# KiCad board r1_panel.kicad_pcb
title: M3 Radio board layout; date: 8 feb 2016; rev: Rev 1; company: Cambridge University Spaceflight; note: G Brooks; note: A Raghu; note: E R Eide; note: Drawn by:
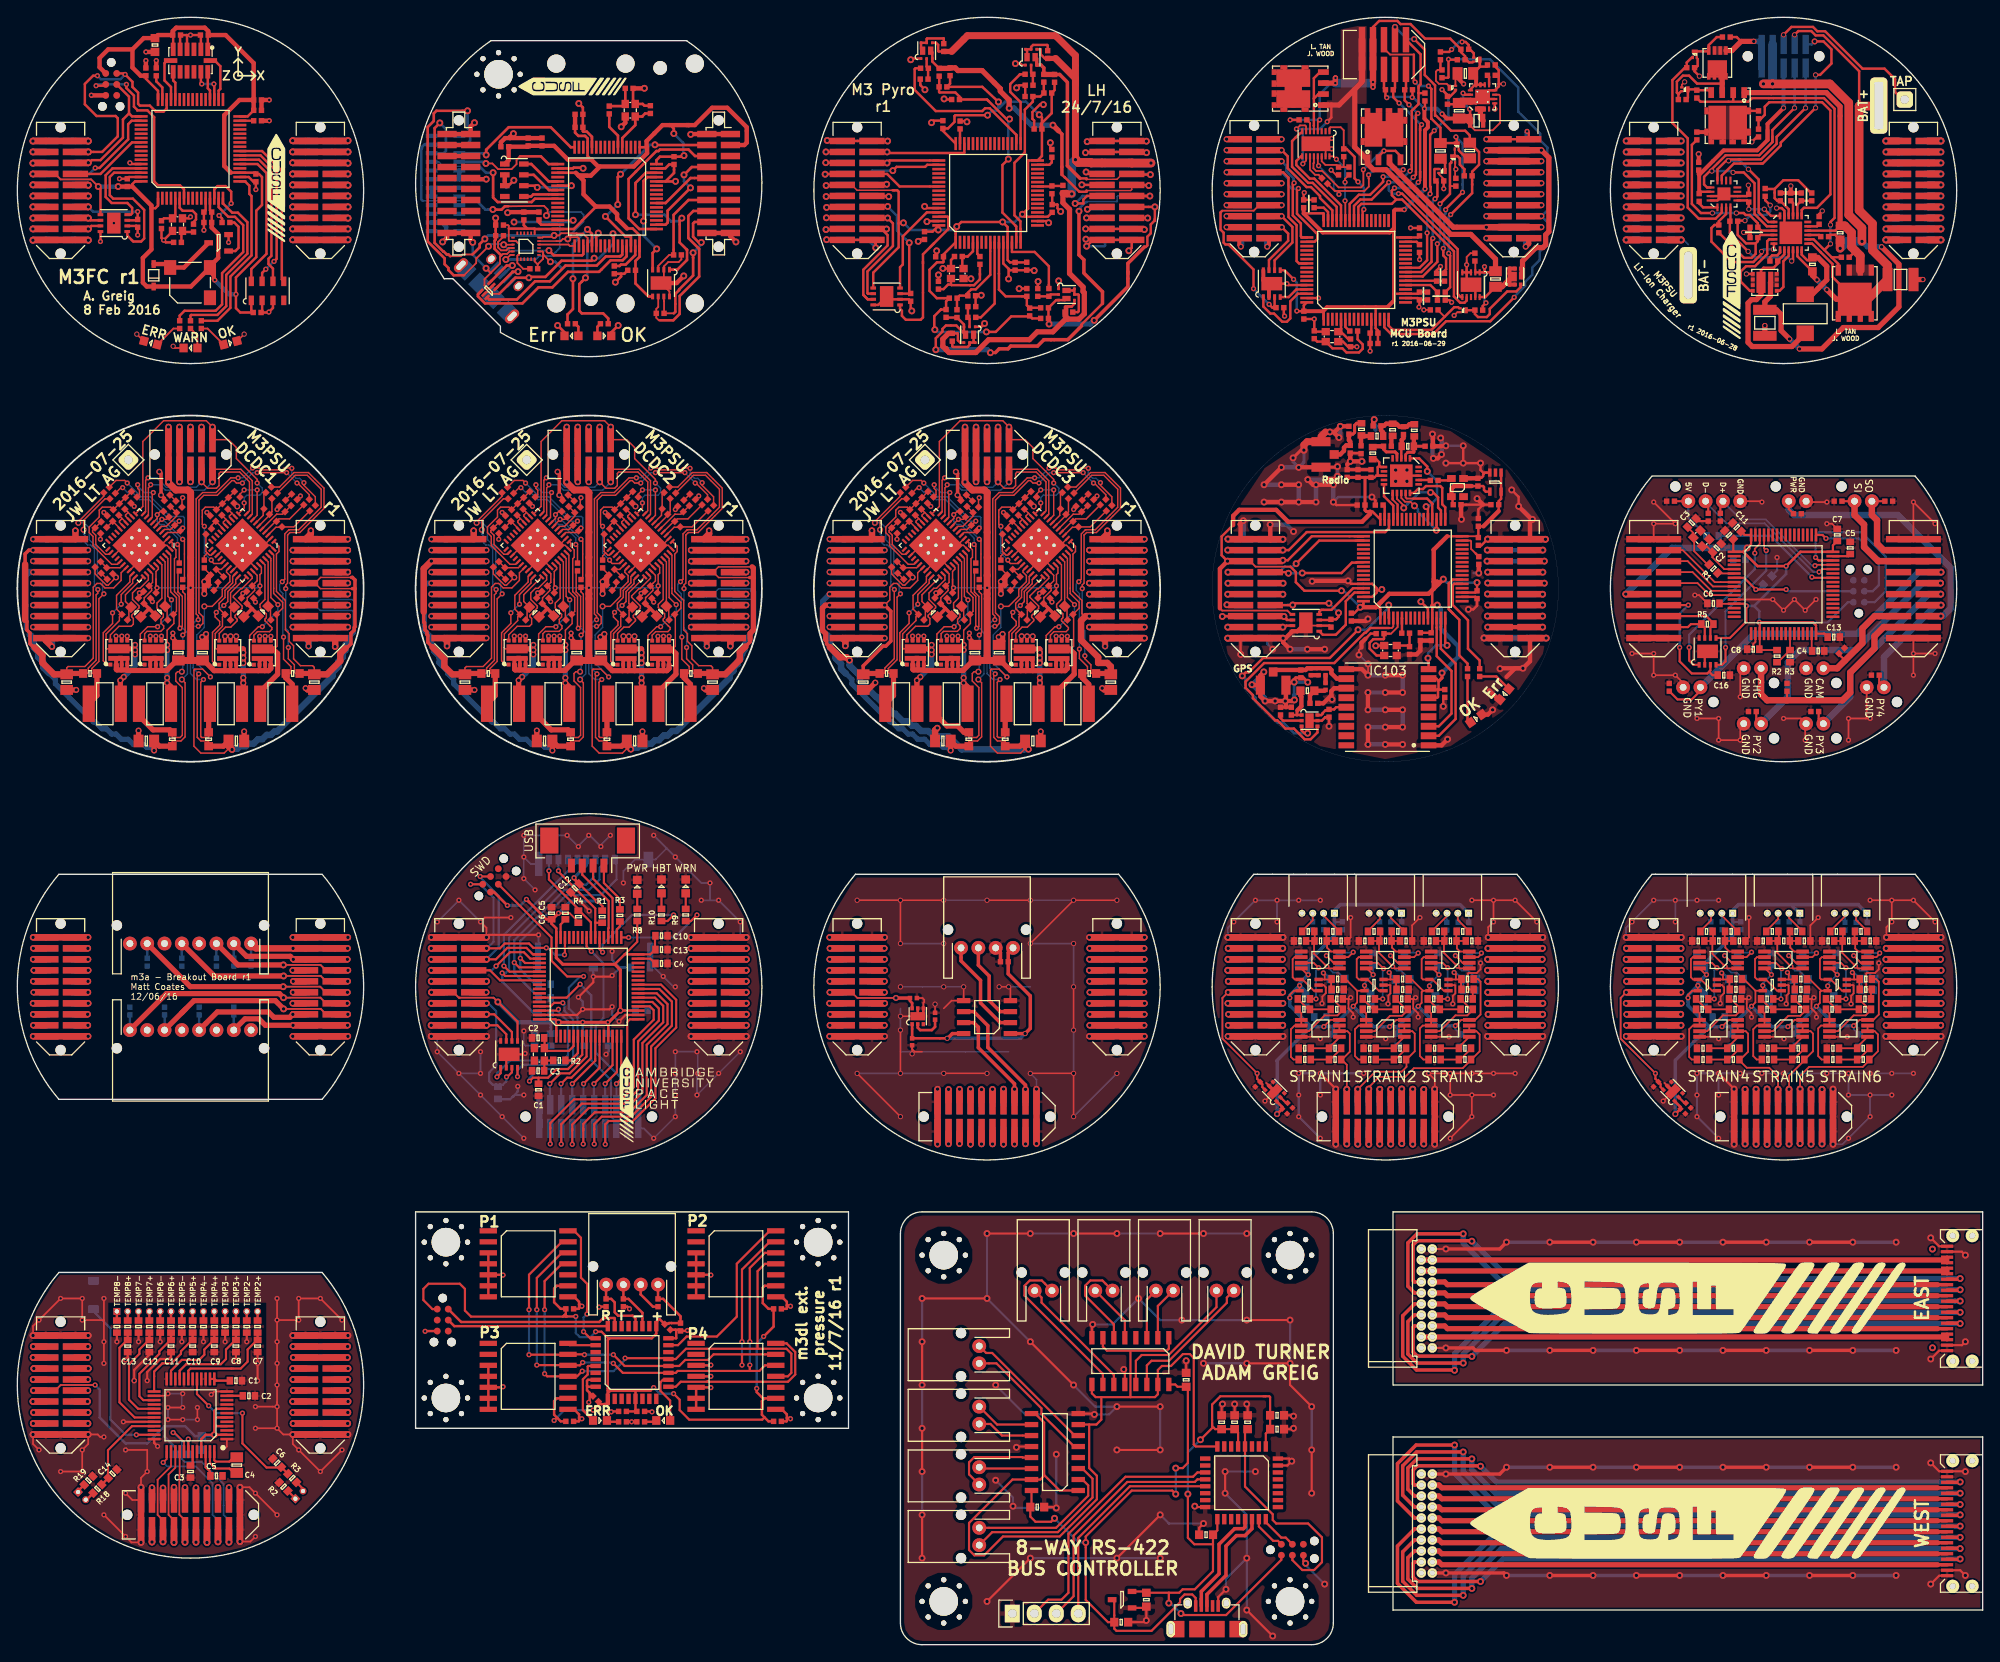
[diagram p0: board, top side]
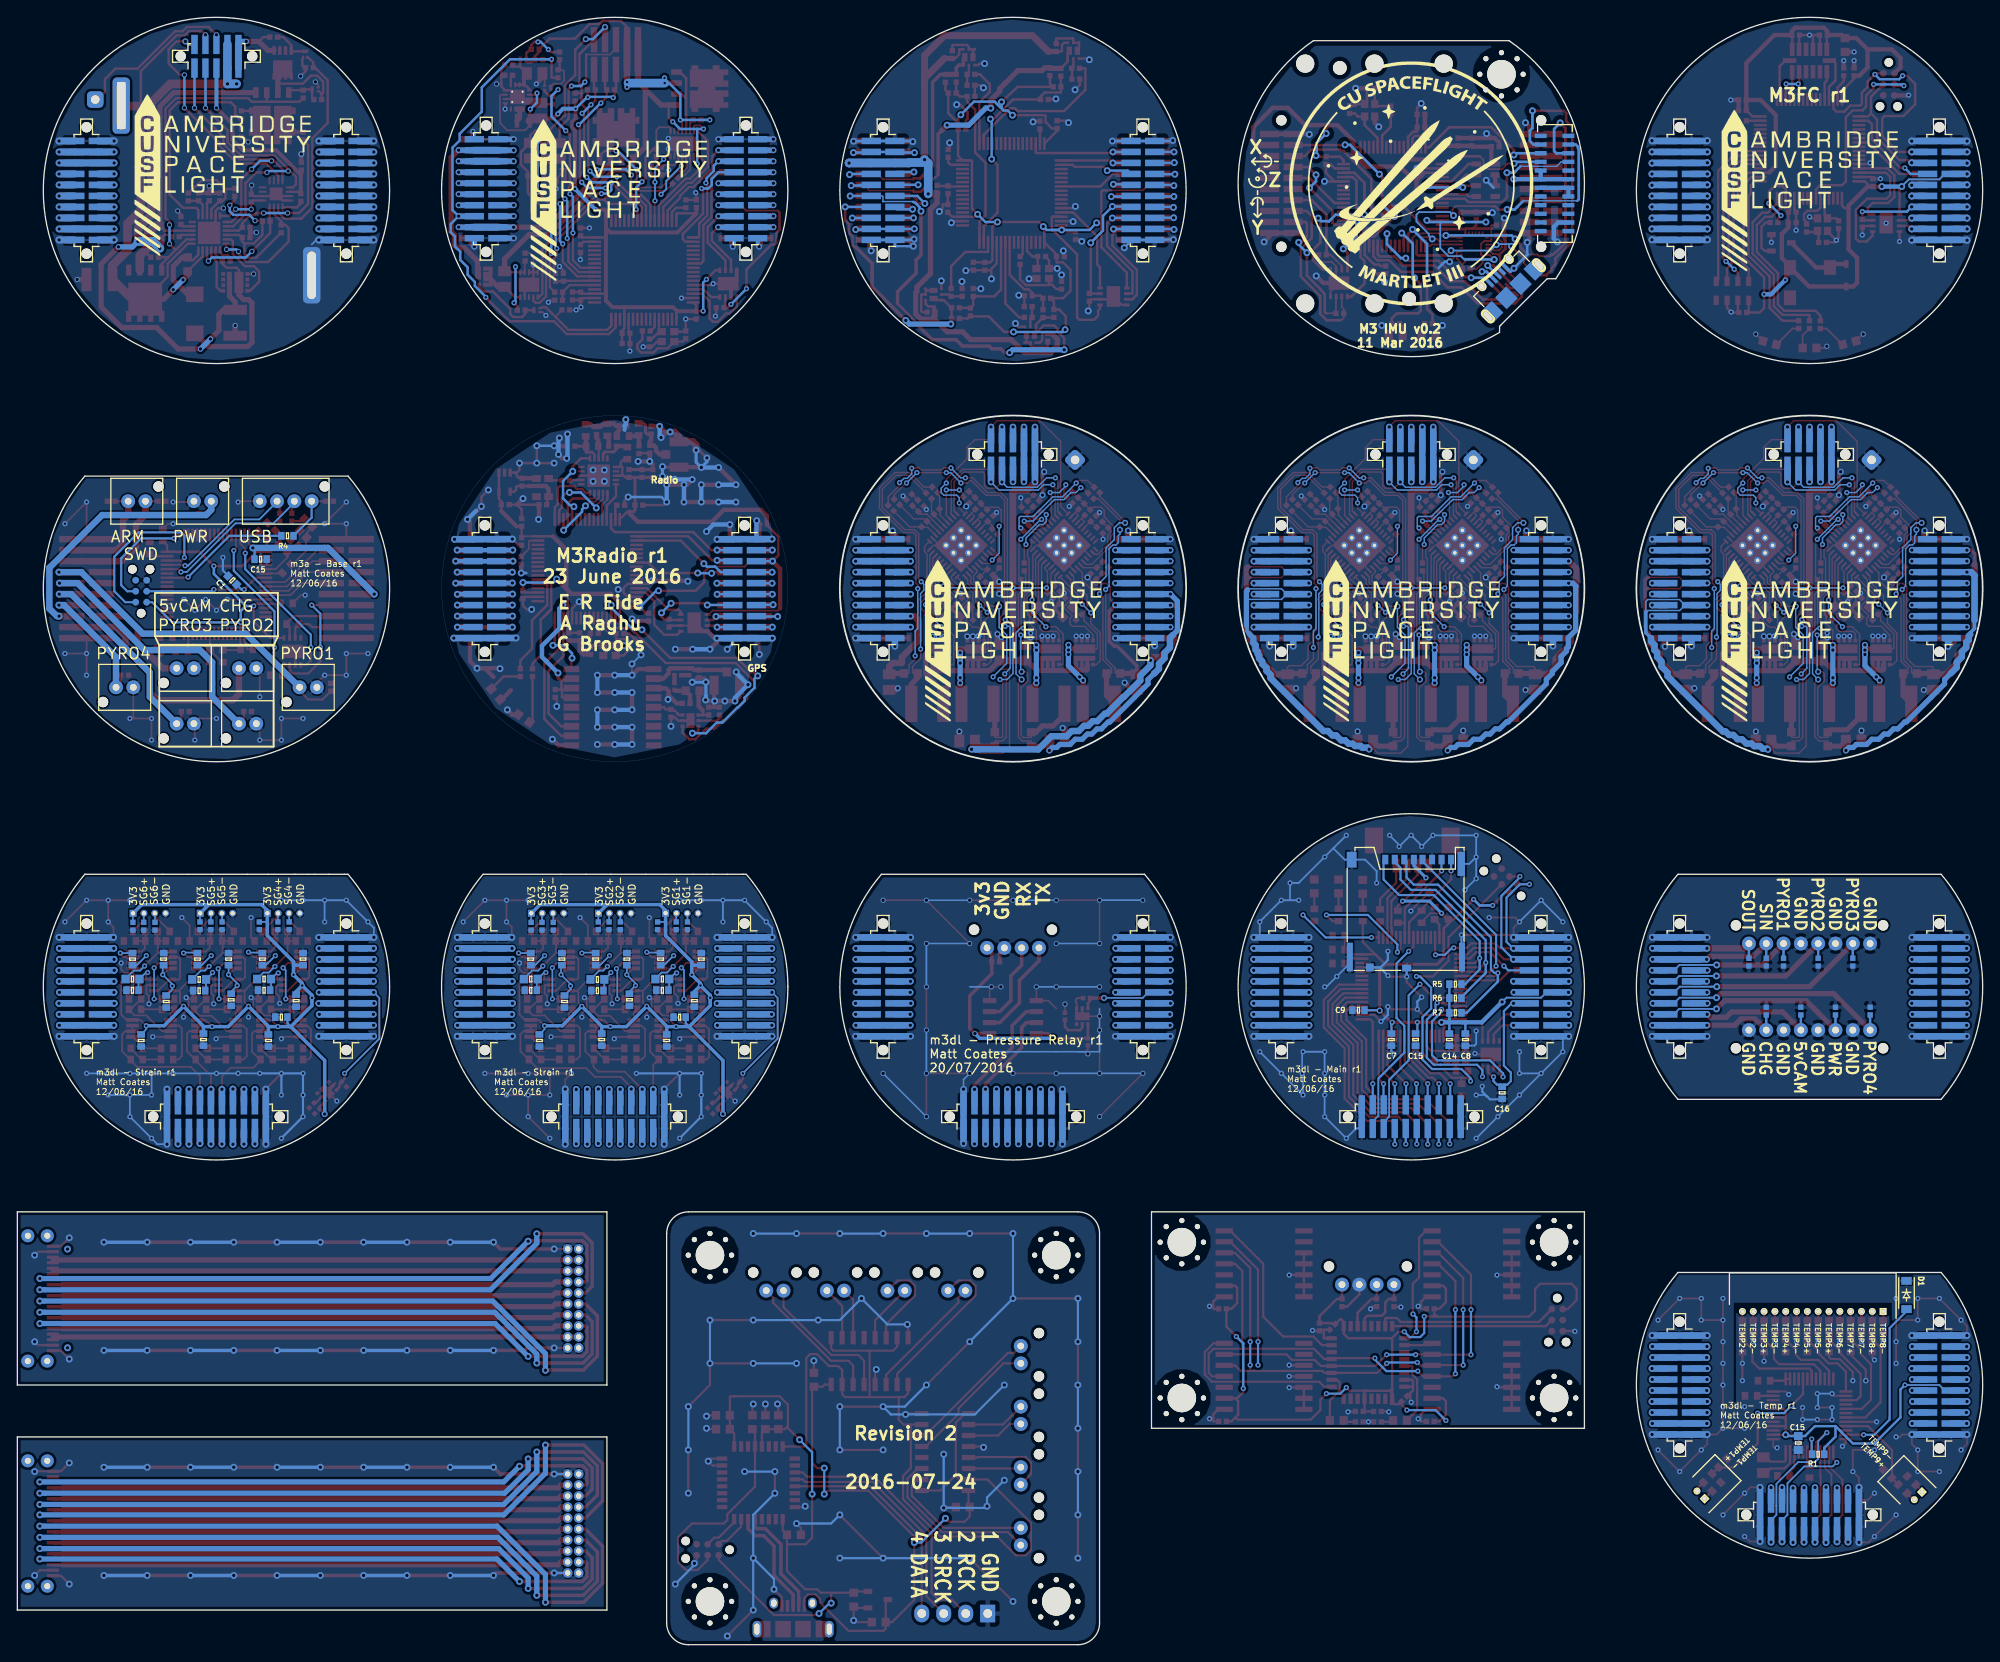
[diagram p1: board, bottom side, seen from below]

Outline 227 x 188 mm; copper layers: Top, Bottom. Coordinates in mm from the lower left corner of the outline.
Outline path: circle c20,168 r20 ; circle c20,122 r20 ; circle c66,122 r20 ; circle c66,76 r20 ; circle c112,168 r20 ; circle c112,122 r20 ; circle c158,168 r20 ; circle c158,122 r20 ; circle c204,168 r20 ; 54.71,185.3 arc(46.38,172.66) 49.3,157.8 50.3,157.8 55.8,152.3 55.8,151.6 ; 54.7,185.3 77.3,185.3 arc(82.86,158.04) 55.8,151.6 ; 4.8,89 35.2,89 arc(40,76) 35.2,63 4.8,63 arc(0,76) 4.8,89 ; 4.8,43 35.2,43 arc(20,10) 4.8,43 ; 46,50 46,25 96,25 96,50 46,50 ; 96.8,89 127.2,89 arc(112,56) 96.8,89 ; 102,47.5 102,2.5 arc(102.73,0.73) 104.5,0 149.5,0 arc(151.27,0.73) 152,2.5 152,47.5 arc(151.27,49.27) 149.5,50 104.5,50 arc(102.73,49.27) 102,47.5 ; 138,76 arc(139.24,82.93) 142.8,89 143.2,89 173.2,89 arc(164.93,57.24) 138,76 ; 158.9,50 227,50 227,30 158.9,30 158.9,50 ; 158.9,24 227,24 227,4 158.9,4 158.9,24 ; 184,76 arc(185.24,82.93) 188.8,89 189.2,89 219.2,89 arc(210.93,57.24) 184,76 ; 188.8,135 219.2,135 arc(204,102) 188.8,135 ; 214.6,180.4 215.4,180.4 215.4,175.2 214.6,175.2 214.6,180.4

## Placement (name value [footprint] x y rotation side)
C1  10p  [0402]  16.65 164.05 90 top
C1#2  100n  [0603-L]  60.2 64.1 90 top
C1#3  100n  [0402]  108.37 178.51 180 top
C1#4  1n  [0603-L]  163.15 81.3 0 top
C1#5  1n  [0603-L]  209.15 81.3 0 top
C1#6  1u  [0603-L]  25.25 30.5 180 top
C1#7  22µ  [0805]  34.3 111.2 270 top
C1#8  22µ  [0805]  80.3 111.2 270 top
C1#9  22µ  [0805]  126.3 111.2 270 top
C1#10  10p  [0402]  73.12 177.34 270 top
C1#11  10p  [0402]  153.99 150.39 90 top
C1#12  100n  [0603]  135 30.6 90 top
C1#13  1µ  [0402]  200.58 162.55 180 top
C1#14  100nF  [0402]  149.75 108.75 180 top
C1#15  100n  [0402]  63.8 38.8 0 top
C1#16  1u  [0402-L]  103.5 74.7 0 top
C1#17  100n  [0603-L]  202.17 122.97 225 bottom
C2  4µ7  [0402]  27.75 178.45 180 top
C2#2  10p  [0603-L]  60.15 70.1 0 top
C2#3  100n  [0402]  116.85 178.85 180 top
C2#4  10n  [0603-L]  165.53 81.3 0 top
C2#5  10n  [0603-L]  211.53 81.3 0 top
C2#6  100n  [0603-L]  26.75 28.75 180 top
C2#7  10p  [0603-L]  196.3 126.7 225 top
C2#8  100n  [0402]  29.6 118.7 225 top
C2#9  100n  [0402]  75.6 118.7 225 top
C2#10  100n  [0402]  121.6 118.7 225 top
C2#11  10p  [0402]  70.67 179.79 0 top
C2#12  10p  [0402]  149.8 151.33 90 top
C2#13  100n  [0603]  117.8 15.9 0 top
C2#14  1µ  [0402]  203.63 167.25 90 top
C2#15  1uF  [0402]  151.5 107.6 270 top
C2#16  100n  [0402]  87.8 38.8 0 top
C2#17  1u  [0402-L]  103.35 69.65 270 top
C3  100n  [0402]  27.75 177.25 180 top
C3#2  10p  [0603-L]  60.15 66.3 0 top
C3#3  100n  [0402]  110.23 155.84 0 top
C3#4  1n  [0603-L]  168 81.3 0 top
C3#5  1n  [0603-L]  214 81.3 0 top
C3#6  10u  [0603-L]  20 20 90 top
C3#7  10p  [0603-L]  193.4 129.6 225 top
C3#8  4n7  [0402]  31.3 131.9 315 top
C3#9  4n7  [0402]  77.3 131.9 315 top
C3#10  4n7  [0402]  123.3 131.9 315 top
C3#11  4µ7  [0402]  59 173.6 270 top
C3#12  4µ7  [0402]  162.88 155.81 90 top
C3#13  1µ  [0402]  204.84 167.25 90 top
C3#14  1uF  [0402]  147.15 107.85 270 top
C3#15  100n  [0402]  87.8 25.8 0 top
C3#16  100n  [0603]  145.5 24.9 0 top
C4  100n  [0402]  12.7 168.9 270 top
C4#2  2u2  [0603-L]  74.4 78.7 180 top
C4#3  100n  [0402]  116.6 156.22 90 top
C4#4  1n  [0603-L]  148.15 81.3 0 top
C4#5  1n  [0603-L]  194.15 81.3 0 top
C4#6  10u  [0805]  25.35 20.75 270 top
C4#7  2u2  [0603-L]  208 114.8 180 top
C4#8  100n  [0402]  58.5 165.05 270 top
C4#9  100n  [0402]  161.95 163.21 270 top
C4#10  10n  [0402]  208.11 164.54 270 top
C4#11  10nF  [0402]  166.3 131.7 0 top
C4#12  100n  [0402]  63.8 25.8 0 top
C4#13  10u  [0603]  145.5 26.5 0 top
C4#14  4µ7  [0402]  26.2 120.6 135 top
C4#15  4µ7  [0402]  72.2 120.6 135 top
C4#16  4µ7  [0402]  118.2 120.6 135 top
C5  1µ  [0402]  22 164.3 0 top
C5#2  10p  [0402]  108.69 160.37 0 top
C5#3  2u2  [0603-L]  63.3 84.5 270 top
C5#4  10n  [0603-L]  150.53 81.3 0 top
C5#5  10n  [0603-L]  196.53 81.3 0 top
C5#6  10u  [0603-L]  23 19.5 0 top
C5#7  2u2  [0603-L]  211.7 126.7 270 top
C5#8  220p  [0402]  30.6 131.2 315 top
C5#9  220p  [0402]  76.6 131.2 315 top
C5#10  220p  [0402]  122.6 131.2 315 top
C5#11  100n  [0402]  75.85 171.45 90 top
C5#12  100n  [0402]  148.59 153.6 90 top
C5#13  10n  [0402]  211.13 160.28 0 top
C5#14  100pF  [0402]  163.65 134.5 0 top
C5#15  4µ7  [0402]  76.6 36.7 270 top
C5#16  C  [0603]  142.1 25.7 90 top
C6  10p  [0402]  18.5 162 180 top
C6#2  10p  [0402]  106.39 157.05 90 top
C6#3  100n  [0603-L]  61.7 84.5 90 top
C6#4  1n  [0603-L]  152.9 81.3 0 top
C6#5  1n  [0603-L]  198.9 81.3 0 top
C6#6  1n  [0603-L]  30 21 315 top
C6#7  1u  [0603-L]  195.9 120.3 180 top
C6#8  47p  [0402]  28.8 130.9 135 top
C6#9  47p  [0402]  74.8 130.9 135 top
C6#10  47p  [0402]  120.8 130.9 135 top
C6#11  1µ  [0402]  64.87 176.79 180 top
C6#12  1µ  [0402]  156.7 151.52 0 top
C6#13  100n  [0402]  202.88 159.84 0 top
C6#14  1u  [0402]  153.6 135.3 90 top
C6#15  100n  [0402]  75.1 36.7 315 top
C6#16  100n  [0603]  140.6 25.7 90 top
C7  100n  [0402]  27.55 169.45 90 top
C7#2  4µ7  [0402]  106.52 160.34 0 top
C7#3  8.2n  [0603-L]  167.4 74.6 0 top
C7#4  8.2n  [0603-L]  213.4 74.6 0 top
C7#5  1n  [0603-L]  20.25 34.5 90 top
C7#6  100n  [0603-L]  210.2 128.2 90 top
C7#7  22µ  [0805]  21.4 114.6 90 top
C7#8  22µ  [0805]  67.4 114.6 90 top
C7#9  22µ  [0805]  113.4 114.6 90 top
C7#10  100n  [0402]  60.6 173.6 270 top
C7#11  100n  [0402]  161.94 155.81 90 top
C7#12  47µ  [1210]  217.51 157.71 0 top
C7#13  1uF  [0402]  170.65 131.7 0 top
C7#14  100n  [0402]  66.8 28.4 135 top
C7#15  1u  [0603]  139.1 25.7 90 top
C7#16  100n  [0603-L]  68.3 69.9 270 bottom
C8  100n  [0402]  14.85 181.7 270 top
C8#2  100n  [0402]  117.89 175.1 0 top
C8#3  8.2n  [0603-L]  152.4 74.6 0 top
C8#4  8.2n  [0603-L]  198.4 74.6 0 top
C8#5  1n  [0603-L]  11 19.75 225 top
C8#6  100n  [0603-L]  200.5 115 180 top
C8#7  47p  [0402]  30.25 129.45 135 top
C8#8  47p  [0402]  76.25 129.45 135 top
C8#9  47p  [0402]  122.25 129.45 135 top
C8#10  100n  [0402]  70.95 158.78 0 top
C8#11  100n  [0402]  148.57 166.46 270 top
C8#12  1µ  [0402]  200.58 163.75 180 top
C8#13  1uF  [0402]  168.7 134.3 270 top
C8#14  1µ  [0402]  69.9 26.95 180 top
C8#15  100n  [0603]  137.3 12.7 180 top
C8#16  100n  [0603-L]  59.75 69.9 270 bottom
C9  100n  [0402]  22 165.5 0 top
C9#2  100n  [0402]  104.78 162.79 90 top
C9#3  82n  [0603-L]  163.6 73.4 180 top
C9#4  82n  [0603-L]  209.6 73.4 180 top
C9#5  1n  [0603-L]  27.75 34.5 90 top
C9#6  220p  [0402]  22.65 123.9 225 top
C9#7  220p  [0402]  68.65 123.9 225 top
C9#8  220p  [0402]  114.65 123.9 225 top
C9#9  100n  [0402]  64.87 175.29 180 top
C9#10  100n  [0402]  156.7 150.32 0 top
C9#11  47µ  [1210]  201.84 152.71 270 top
C9#12  10n  [0402]  72 26.95 0 top
C9#13  1u  [0603]  127.5 2.6 0 top
C9#14  100n  [0603-L]  72.1 73.3 0 bottom
C10  2µ2  [0402]  16.05 181.7 90 top
C10#2  1µ  [0402]  115.24 159.23 90 top
C10#3  4u7  [0603-L]  74.4 81.9 0 top
C10#4  82n  [0603-L]  148.6 73.4 180 top
C10#5  82n  [0603-L]  194.6 73.4 180 top
C10#6  1n  [0603-L]  17.75 34.5 90 top
C10#7  1µ  [0402]  21.6 124.85 270 top
C10#8  1µ  [0402]  67.6 124.85 270 top
C10#9  1µ  [0402]  113.6 124.85 270 top
C10#10  2µ2  [0402]  68.95 158.82 270 top
C10#11  2µ2  [0402]  149.78 166.46 90 top
C10#12  100n  [0402]  194.2 170.8 90 top
C10#13  1u  [0603]  130.4 5.2 270 top
C11  2µ2  [0402]  27.75 176.05 0 top
C11#2  100n  [0402]  119.53 165.92 270 top
C11#3  8.2n  [0603-L]  163.7 68.9 180 top
C11#4  8.2n  [0603-L]  209.7 68.9 180 top
C11#5  1n  [0603-L]  25.25 34.5 90 top
C11#6  100n  [0603-L]  198.6 129.1 135 top
C11#7  100n  [0402]  24.3 118.7 135 top
C11#8  100n  [0402]  70.3 118.7 135 top
C11#9  100n  [0402]  116.3 118.7 135 top
C11#10  2µ2  [0402]  60.25 165.05 90 top
C11#11  2µ2  [0402]  161.95 161.29 270 top
C12  100n  [0402]  106.9 175.61 270 top
C12#2  100n  [0603-L]  64.4 87.4 225 top
C12#3  8.2n  [0603-L]  148.7 68.9 180 top
C12#4  8.2n  [0603-L]  194.7 68.9 180 top
C12#5  1n  [0603-L]  15.25 34.5 90 top
C12#6  100n  [0603-L]  197.7 128.2 135 top
C12#7  4n7  [0402]  23.5 123.05 225 top
C12#8  4n7  [0402]  69.5 123.05 225 top
C12#9  4n7  [0402]  115.5 123.05 225 top
C12#10  100n  [0402]  76.25 160.55 0 top
C12#11  22µ  [0805]  167.25 181.52 180 top
C13  10µ  [0603]  15.9 184.8 270 top
C13#2  100n  [0402]  116.59 159.25 90 top
C13#3  100n  [0603-L]  74.4 80.3 0 top
C13#4  82n  [0603-L]  167.2 67.6 0 top
C13#5  82n  [0603-L]  213.2 67.6 0 top
C13#6  1n  [0603-L]  22.75 34.5 90 top
C13#7  100n  [0603-L]  209.8 116.4 0 top
C13#8  100n  [0402]  26.8 122 225 top
C13#9  100n  [0402]  72.8 122 225 top
C13#10  100n  [0402]  118.8 122 225 top
C13#11  100n  [0402]  59.65 158.95 180 top
C13#12  3n3  [0402]  170.25 181.3 0 top
C14  100n  [0402]  18.4 185.95 0 top
C14#2  2µ2  [0402]  108.89 175.56 90 top
C14#3  82n  [0603-L]  152.2 67.6 0 top
C14#4  82n  [0603-L]  198.2 67.6 0 top
C14#5  1n  [0603-L]  12.75 34.5 90 top
C14#6  1µ  [0402]  24.7 132.2 315 top
C14#7  1µ  [0402]  70.7 132.2 315 top
C14#8  1µ  [0402]  116.7 132.2 315 top
C14#9  10n  [0402]  55.7 164 0 top
C14#10  22µ  [0805]  166.53 177.21 90 top
C14#11  100n  [0603-L]  61.6 69.9 270 bottom
C15  100n  [0402]  13.9 164.2 270 top
C15#2  2µ2  [0402]  119.48 172.28 90 top
C15#3  1n  [0603-L]  155.65 81.3 0 top
C15#4  1n  [0603-L]  201.65 81.3 0 top
C15#5  22µ  [0805]  25.3 104.4 0 top
C15#6  22µ  [0805]  71.3 104.4 0 top
C15#7  22µ  [0805]  117.3 104.4 0 top
C15#8  100n  [0402]  56.3 173.05 180 top
C15#9  100n  [0402]  152.6 170.25 270 top
C15#10  1u  [0603-L]  65.5 69.9 270 bottom
C15#11  4u7  [0603-L]  198.9 125.4 180 bottom
C15#12  100n  [0603]  21.3 23.3 270 bottom
C16  100n  [0402]  21.6 185.95 180 top
C16#2  100n  [0402]  103.18 155.65 270 top
C16#3  10n  [0603-L]  158.03 81.3 0 top
C16#4  10n  [0603-L]  204.03 81.3 0 top
C16#5  100n  [0603-L]  197.1 112 0 top
C16#6  22µ  [0805]  14.9 104.4 180 top
C16#7  22µ  [0805]  60.9 104.4 180 top
C16#8  22µ  [0805]  106.9 104.4 180 top
C16#9  100n  [0402]  55.7 162.78 180 top
C16#10  100n  [0402]  145.83 154.46 0 top
C16#11  100n  [0603-L]  55.5 63.75 270 bottom
C17  100n  [0402]  27.7 153.9 0 top
C17#2  1n  [0603-L]  160.4 81.3 0 top
C17#3  1n  [0603-L]  206.4 81.3 0 top
C17#4  100n  [0402]  17.7 118.7 225 top
C17#5  100n  [0402]  63.7 118.7 225 top
C17#6  100n  [0402]  109.7 118.7 225 top
C17#7  47n  [0402]  151 169.1 315 top
C18  8.2n  [0603-L]  159.9 74.6 0 top
C18#2  8.2n  [0603-L]  205.9 74.6 0 top
C18#3  4n7  [0402]  18 131.8 225 top
C18#4  4n7  [0402]  64 131.8 225 top
C18#5  4n7  [0402]  110 131.8 225 top
C18#6  47n  [0402]  148.49 176.15 180 top
C19  82n  [0603-L]  156.1 73.4 180 top
C19#2  82n  [0603-L]  202.1 73.4 180 top
C19#3  100n  [0402]  170.25 182.5 0 top
C19#4  4µ7  [0402]  14.3 120.6 135 top
C19#5  4µ7  [0402]  60.3 120.6 135 top
C19#6  4µ7  [0402]  106.3 120.6 135 top
C20  8.2n  [0603-L]  156.2 68.9 180 top
C20#2  8.2n  [0603-L]  202.2 68.9 180 top
C20#3  220p  [0402]  18.7 131.1 225 top
C20#4  220p  [0402]  64.7 131.1 225 top
C20#5  220p  [0402]  110.7 131.1 225 top
C20#6  100n  [0402]  168.35 160.3 90 top
C21  82n  [0603-L]  159.7 67.6 0 top
C21#2  82n  [0603-L]  205.7 67.6 0 top
C21#3  47p  [0402]  17.2 130.6 135 top
C21#4  47p  [0402]  63.2 130.6 135 top
C21#5  47p  [0402]  109.2 130.6 135 top
C22  22µ  [0805]  18.6 114.6 90 top
C22#2  22µ  [0805]  64.6 114.6 90 top
C22#3  22µ  [0805]  110.6 114.6 90 top
C22#4  100n  [0603-L]  152.5 75.6 0 bottom
C22#5  100n  [0603-L]  198.5 75.6 0 bottom
C23  47p  [0402]  18.5 129 135 top
C23#2  47p  [0402]  64.5 129 135 top
C23#3  47p  [0402]  110.5 129 135 top
C23#4  100n  [0603-L]  148 79.2 90 bottom
C23#5  100n  [0603-L]  194 79.2 90 bottom
C24  220p  [0402]  9.3 124.8 225 top
C24#2  220p  [0402]  55.3 124.8 225 top
C24#3  220p  [0402]  101.3 124.8 225 top
C24#4  100n  [0603-L]  156.6 79.2 90 bottom
C24#5  100n  [0603-L]  202.6 79.2 90 bottom
C25  1µ  [0402]  9.3 128.7 315 top
C25#2  1µ  [0402]  55.3 128.7 315 top
C25#3  1µ  [0402]  101.3 128.7 315 top
C25#4  100n  [0603-L]  156.3 74.5 270 bottom
C25#5  100n  [0603-L]  202.3 74.5 270 bottom
C26  100n  [0402]  12.4 118.7 135 top
C26#2  100n  [0402]  58.4 118.7 135 top
C26#3  100n  [0402]  104.4 118.7 135 top
C26#4  100n  [0603-L]  167.7 75.6 0 bottom
C26#5  100n  [0603-L]  213.7 75.6 0 bottom
C27  4n7  [0402]  10 124.1 225 top
C27#2  4n7  [0402]  56 124.1 225 top
C27#3  4n7  [0402]  102 124.1 225 top
C27#4  100n  [0603-L]  148.8 74.4 270 bottom
C27#5  100n  [0603-L]  194.8 74.4 270 bottom
C28  100n  [0402]  14.9 122 225 top
C28#2  100n  [0402]  60.9 122 225 top
C28#3  100n  [0402]  106.9 122 225 top
C28#4  100n  [0603-L]  159.5 69.9 270 bottom
C28#5  100n  [0603-L]  205.5 69.9 270 bottom
C29  1µ  [0402]  12.8 132.2 315 top
C29#2  1µ  [0402]  58.8 132.2 315 top
C29#3  1µ  [0402]  104.8 132.2 315 top
C29#4  100n  [0603-L]  163.8 74.3 270 bottom
C29#5  100n  [0603-L]  209.8 74.3 270 bottom
C30  22µ  [0805]  5.7 111.2 270 top
C30#2  22µ  [0805]  51.7 111.2 270 top
C30#3  22µ  [0805]  97.7 111.2 270 top
C30#4  100n  [0603-L]  160 75.55 0 bottom
C30#5  100n  [0603-L]  206 75.55 0 bottom
C31  100n  [0402]  15.7 121.2 225 top
C31#2  100n  [0402]  61.7 121.2 225 top
C31#3  100n  [0402]  107.7 121.2 225 top
C31#4  100n  [0603-L]  150.5 72.5 0 bottom
C31#5  100n  [0603-L]  196.5 72.5 0 bottom
C32  100n  [0402]  27.6 121.2 225 top
C32#2  100n  [0402]  73.6 121.2 225 top
C32#3  100n  [0402]  119.6 121.2 225 top
C32#4  100n  [0603-L]  164.1 79.2 90 bottom
C32#5  100n  [0603-L]  210.1 79.2 90 bottom
C33  100n  [0603-L]  166.7 69.8 270 bottom
C33#2  100n  [0603-L]  212.7 69.8 270 bottom
C34  10u  [0603-L]  152 69.8 270 bottom
C34#2  10u  [0603-L]  198 69.8 270 bottom
C35  1u  [0402-L]  143.27 64.74 225 top
C35#2  1u  [0402-L]  189.27 64.74 225 top
C37  1u  [0402-L]  146.38 61.62 315 top
C37#2  1u  [0402-L]  192.38 61.62 315 top
C101  10p  [0402]  157.4 116.8 0 top
C102  10p  [0402]  160.8 114.85 270 top
C103  4µ7  [0402]  168.75 129.65 270 top
C104  100n  [0402]  168.75 127.45 90 top
C105  100n  [0402]  154.08 118.71 90 top
C106  1µ  [0402]  162.05 116.45 90 top
C107  100n  [0402]  168.6 121.3 90 top
C108  100n  [0402]  163.3 116.45 90 top
C109  100n  [0402]  155.21 131.65 0 top
C110  2µ2  [0402]  157.3 131.65 180 top
C111  2µ2  [0402]  168.8 125.25 270 top
C112  100n  [0402]  151.73 118 270 top
C113  100nF  [0402]  164.87 109.89 270 top
C201  100p  [0402]  154.85 135.3 90 top
C202  100n  [0402]  156.35 135.3 90 top
C203  3pF  [0402]  163.05 138.45 0 top
C204  36pF  [0402]  158.25 138.45 0 top
C205  1.2pF  [0402]  160.1 140.25 90 top
C206  3.3pF  [0402]  157.05 140.8 180 top
C207  10pF  [0402]  155.2 138.05 270 top
C208  4.7pF  [0402]  153.95 138.1 270 top
D1  RED  [0603-LED]  15.4 150.4 345 top
D1#2  SCHOTTKY  [0603-LED]  28.4 119.4 225 top
D1#3  SCHOTTKY  [0603-LED]  74.4 119.4 225 top
D1#4  SCHOTTKY  [0603-LED]  120.4 119.4 225 top
D1#5  RED  [0603-LED]  64 151.2 0 top
D1#6  ESD_DIODE  [0402]  190.8 110.6 90 top
D1#7  LED  [0603-LED]  71.6 87.55 270 top
D1#8  ESD_DIODE  [0402]  148.25 112.15 270 top
D1#9  D  [0402]  106.92 179.97 180 top
D1#10  RED  [0603-LED]  67.3 25.9 180 top
D1#11  ESD_DIODE  [0402]  114 78.9 0 top
D1#12  D  [SOD-123]  8.8 40.4 270 bottom
D1#13  ESD_DIODE  [0402]  149.6 83.05 90 bottom
D1#14  ESD_DIODE  [0402]  195.6 83.05 90 bottom
D1#15  ESD_DIODE  [0402]  15 78.85 270 bottom
D2  YLW  [0603-LED]  20 149.8 0 top
D2#2  D  [0402]  119.02 179.26 180 top
D2#3  SCHOTTKY  [0603-LED]  25.6 119.3 315 top
D2#4  SCHOTTKY  [0603-LED]  71.6 119.3 315 top
D2#5  SCHOTTKY  [0603-LED]  117.6 119.3 315 top
D2#6  USBLC6-2P6  [SOT-666]  54.41 156.51 225 top
D2#7  ESD_DIODE  [0402]  200.4 107.8 180 top
D2#8  LED  [0603-LED]  77.2 87.6 270 top
D2#9  ESD_DIODE  [0402]  153.8 140.3 90 top
D2#10  GRN  [0603-LED]  74.6 25.9 0 top
D2#11  ESD_DIODE  [0402]  150.9 83.05 90 bottom
D2#12  ESD_DIODE  [0402]  196.9 83.05 90 bottom
D2#13  ESD_DIODE  [0402]  19 78.85 270 bottom
D3  GRN  [0603-LED]  24.6 150.4 195 top
D3#2  SCHOTTKY  [0603-LED]  16.5 119.4 225 top
D3#3  SCHOTTKY  [0603-LED]  62.5 119.4 225 top
D3#4  SCHOTTKY  [0603-LED]  108.5 119.4 225 top
D3#5  GRN  [0603-LED]  67.8 151.2 180 top
D3#6  ESD_DIODE  [0402]  207.61 107.8 180 top
D3#7  LED  [0603-LED]  74.4 87.6 270 top
D3#8  D  [0402]  108.1 155.55 0 top
D3#9  ESD_DIODE  [0402]  70 39.5 270 top
D3#10  ESD_DIODE  [0402]  159.9 83.05 90 bottom
D3#11  ESD_DIODE  [0402]  205.9 83.05 90 bottom
D3#12  ESD_DIODE  [0402]  23 78.85 270 bottom
D4  D  [SOD-323]  15.75 158.2 90 top
D4#2  SCHOTTKY  [0603-LED]  13.7 119.3 315 top
D4#3  SCHOTTKY  [0603-LED]  59.7 119.3 315 top
D4#4  SCHOTTKY  [0603-LED]  105.7 119.3 315 top
D4#5  ESD_DIODE  [0402]  214.6 112 180 top
D4#6  D  [0402]  116.92 153.96 90 top
D4#7  ESD_DIODE  [0402]  68 39.5 270 top
D4#8  ESD_DIODE  [0402]  157.35 83.05 90 bottom
D4#9  ESD_DIODE  [0402]  203.35 83.05 90 bottom
D4#10  ESD_DIODE  [0402]  13 73.2 90 bottom
D5  ESD_DIODE  [0402]  196.7 130.25 270 top
D5#2  ESD_DIODE  [0402]  74 39.5 270 top
D5#3  ESD_DIODE  [0402]  158.65 83.05 90 bottom
D5#4  ESD_DIODE  [0402]  204.65 83.05 90 bottom
D5#5  ESD_DIODE  [0402]  25 73.2 90 bottom
D6  ESD_DIODE  [0402]  195.3 130.25 270 top
D6#2  ESD_DIODE  [0402]  153.05 83.05 90 bottom
D6#3  ESD_DIODE  [0402]  199.05 83.05 90 bottom
D6#4  ESD_DIODE  [0402]  21 73.2 90 bottom
D7  ESD_DIODE  [0402]  190.95 132.1 180 top
D7#2  ESD_DIODE  [0402]  165.1 83 90 bottom
D7#3  ESD_DIODE  [0402]  211.1 83 90 bottom
D7#4  ESD_DIODE  [0402]  17 73.2 90 bottom
D8  ESD_DIODE  [0402]  205.6 130.65 0 top
D8#2  ESD_DIODE  [0402]  166.4 83 90 bottom
D8#3  ESD_DIODE  [0402]  212.4 83 90 bottom
D8#4  ESD_DIODE  [0402]  25 78.85 270 bottom
D9  ESD_DIODE  [0402]  210.72 114.82 45 top
D9#2  ESD_DIODE  [0402]  167.65 83 90 bottom
D9#3  ESD_DIODE  [0402]  213.65 83 90 bottom
D9#4  ESD_DIODE  [0402]  27 78.85 270 bottom
D10  ESD_DIODE  [0402]  204.4 110.6 90 top
D11  ESD_DIODE  [0402]  216.15 132.1 0 top
D12  ESD_DIODE  [0402]  210.3 132.1 180 top
D101  RED  [0603-LED]  171.75 109.8 50 top
D102  GRN  [0603-LED]  168.5 107 215 top
G***  LOGO  [cusf_logo_full]  75 63 0 top
G***#2  LOGO  [cusf_logo_small]  29.9 168.3 0 top
G***#3  LOGO  [cusf_logo_large]  192.95 14 90 top
G***#4  LOGO  [cusf_logo_large]  192.95 40 90 top
G***#5  LOGO  [cusf_logo_small]  198 157.1 0 top
G***#6  LOGO  [cusf_logo_full]  20 168 180 bottom
G***#7  LOGO  [m3logo]  66 168.8 180 bottom
G***#8  LOGO  [cusf_logo_full]  203.3 169.8 180 bottom
G***#9  LOGO  [cusf_logo_full]  20 116 180 bottom
G***#10  LOGO  [cusf_logo_full]  66 116 180 bottom
G***#11  LOGO  [cusf_logo_full]  112 116 180 bottom
G***#12  LOGO  [cusf_logo_full]  157.55 166.9 180 bottom
IC1  STM32F405RxTx  [LQFP-64]  20 172.8 90 top